# Altium PCB SINA33D3.0.PcbDoc (part 2 of 3) (continued)
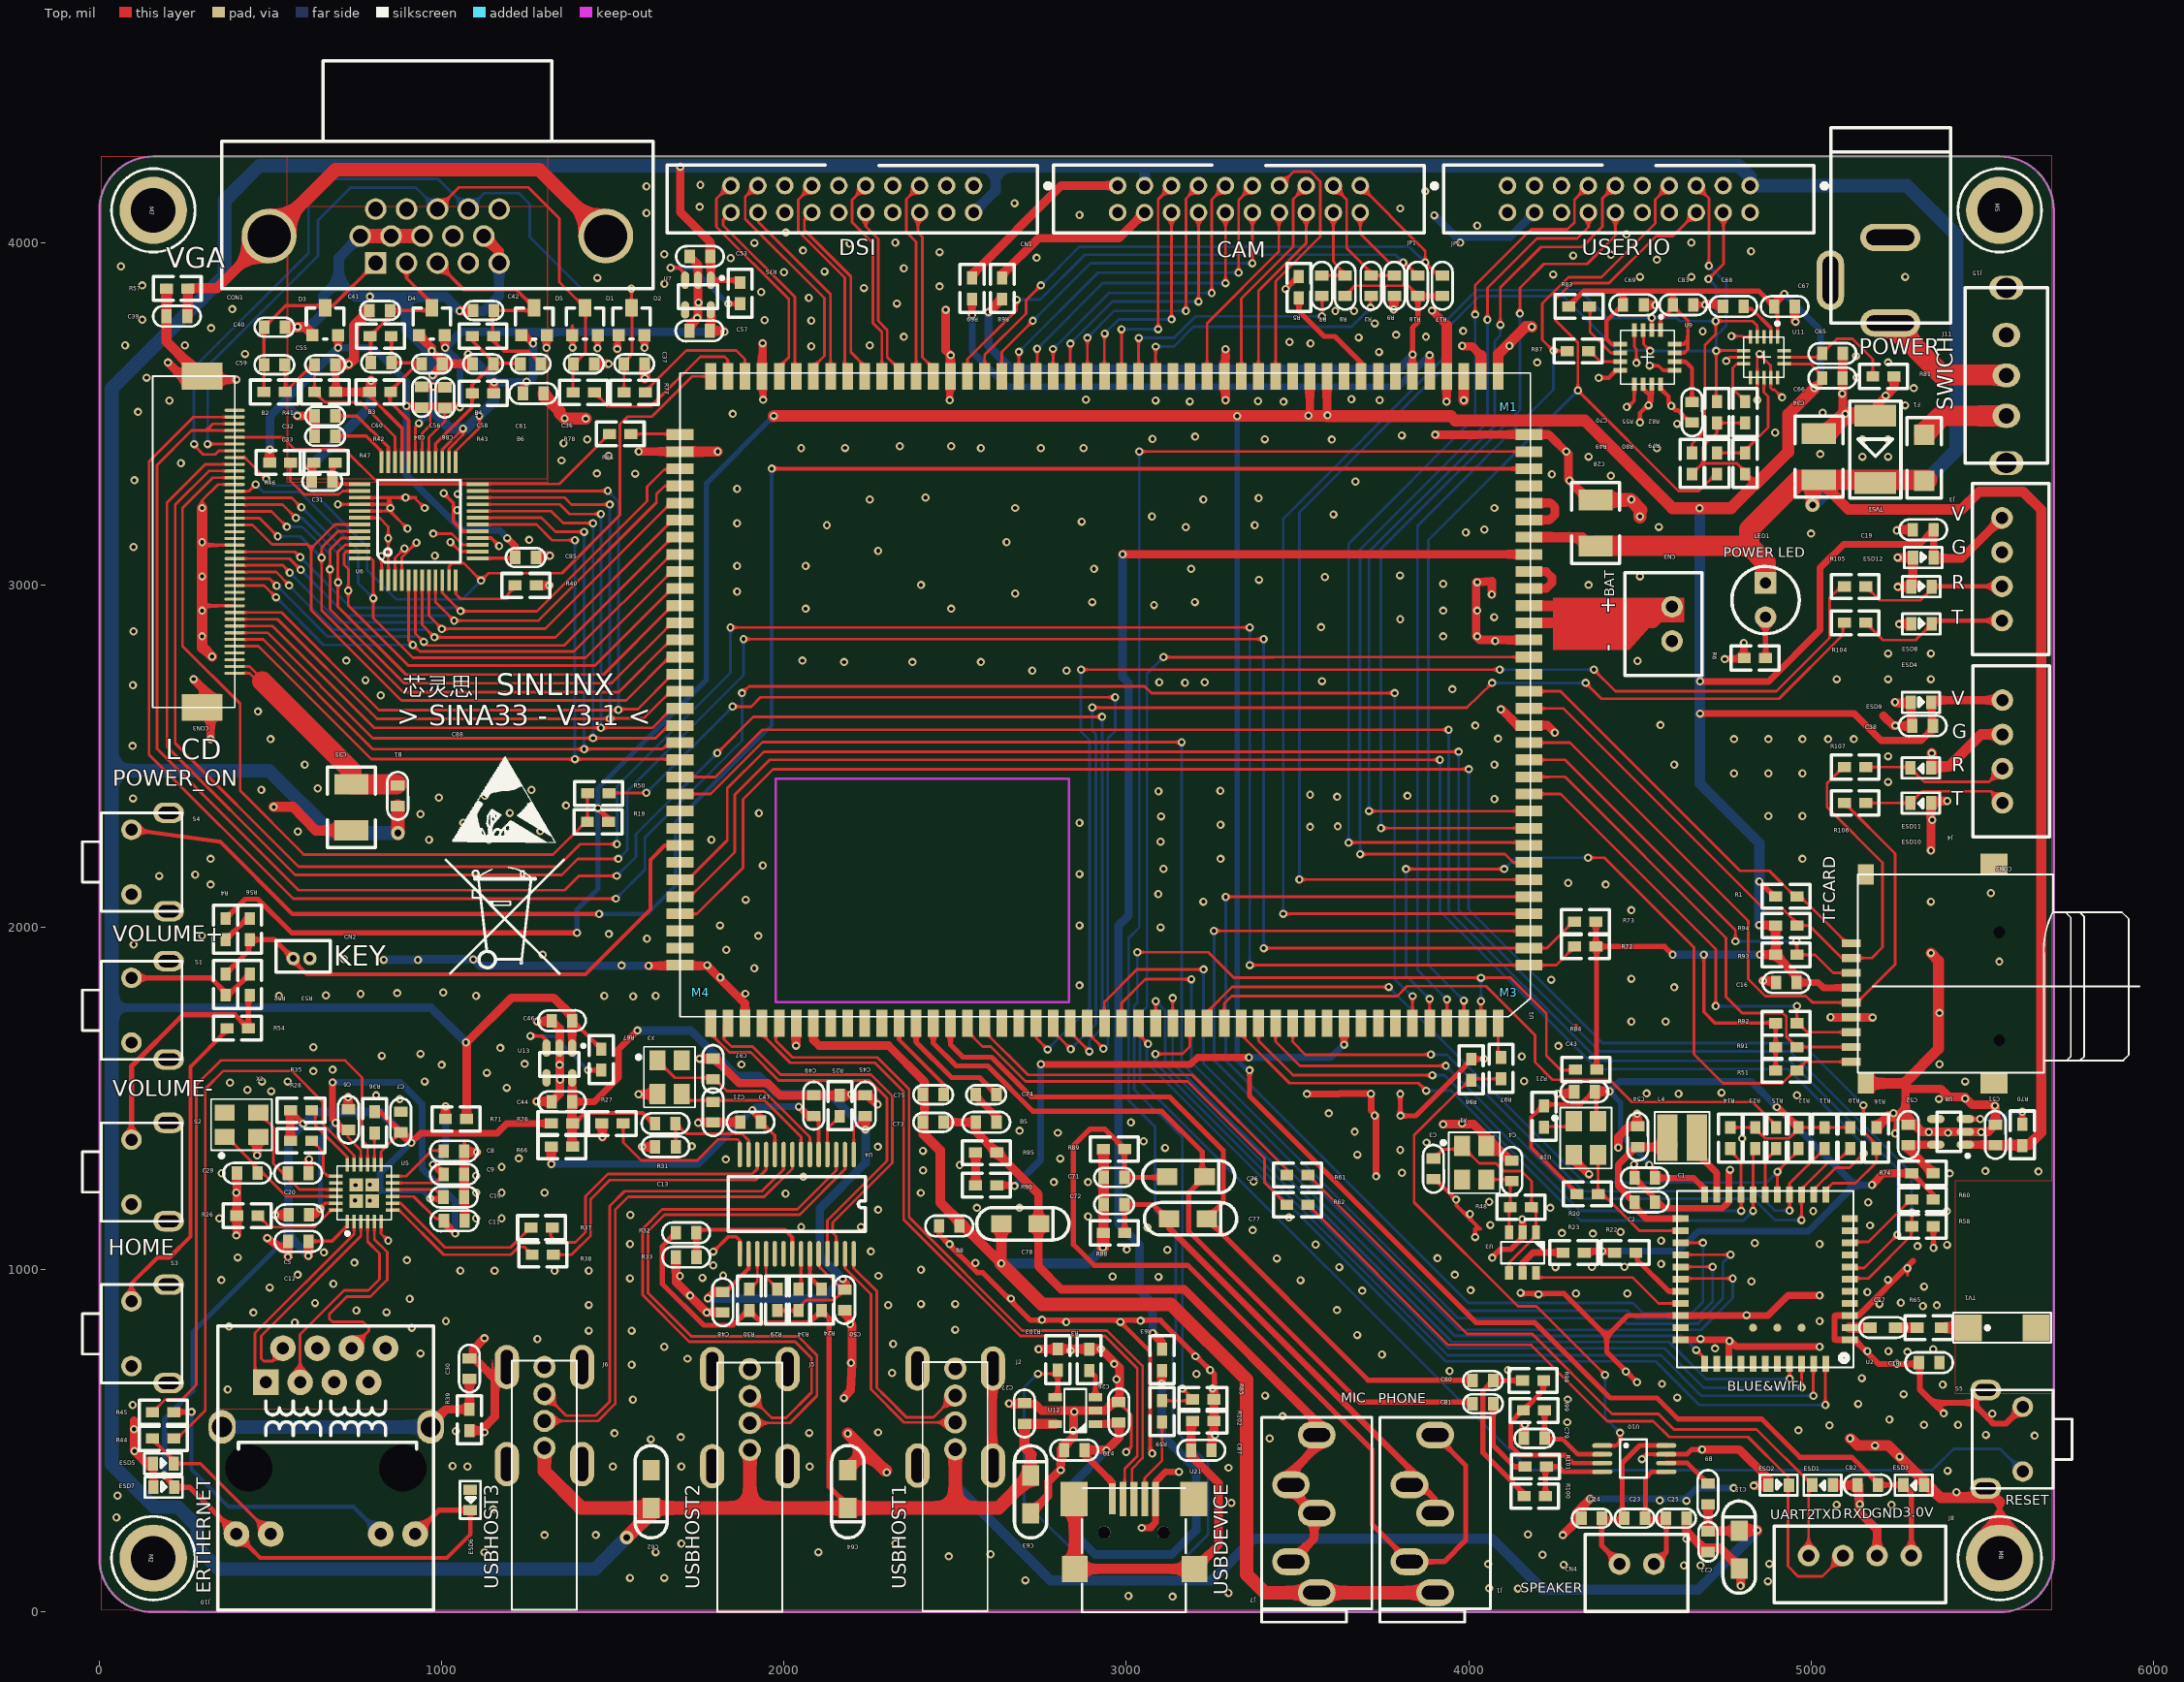
[diagram p0: Top view]
## Nets (pads, with @x,y where several pads share a name; then routed paths per layer and width w, separated by ;. In a path a pad name is that pad's centre, name@x,y a point inside that pad or via, vN(x,y) a via of type N, cw(c..) or ccw(c..) an arc to the next point about the centre after c; other vN are vias at no path point) (continued)
  Top w12: v1(2982.28,847.64) 3069.29,760.63 3069.29,470.87 v1(3075.2,463.39) ; U18.2@4306.7,1322.44 U18.2@4306.7,1335.44 ; v1@4351.19,1277.95 v1(4351.19,1279.53) ; v1(4379.93,3605.12) 4408.67,3605.12 4430.52,3626.97 U9.8@4443.31,3626.97 ; v1(4500,3475) 4500,3502.56 v1@4528.73,3531.29 ; U9.10@4509.26,3586.62 4509.26,3573.82 4528.73,3554.35 v1@4528.73,3531.29 ; U9.11@4534.85,3586.62 4534.85,3537.4 v1@4528.73,3531.29 ; U9.12@4560.44,3586.62 4560.44,3573.82 4583.86,3550.4 4583.86,3530.71 v1(4591.74,3522.84) 4604.34,3510.24 4611.41,3510.24 4647.32,3474.33 C70.1@4652.32,3474.33
  Top w15: C8.1@1066.61,1343.7 C8.1@1066.61,1345.64 ; v1(1381.89,3693.31) D1.1@1381.89,3728.96 ; v1(3464.96,3864.18) R5.2@3501.48,3900.69 ; v1(3800,1513.39) 3800,1450.4 v1(3800.79,1449.61) 3845.45,1449.61 3989.45,1593.62 3989.45,1597.62 R96.1@4007.09,1615.26 4007.58,1615.75 v1(4044.88,1615.75) ; v1@4150,933.07 4152.76,930.32 4278.35,930.32 4403.15,805.52 ; v1(4491.34,671.66) 4459.85,703.15 4403.15,759.85 4403.15,805.52 ; U10.7@4576.97,460.83 4577.17,461.02 4637.4,461.02 4651.18,474.81 v1(4681.89,474.81) ; U2.31@4619.3,866.14 4463.78,866.14 4403.15,805.52 ; C83.2@4657.88,3817.05 4659.34,3818.51 v1(4690.56,3818.51) ; v1(5357.48,1063.78) R58.2@5357.48,1129.14
  Top w15.75: B8.2@2452.69,1127.91 2452.69,1103.54 2482.64,1073.59 2547.41,1008.82 2564.14,992.09 2579.92,992.09 2719.87,852.15 2824.41,852.15 3099.61,852.15 3244.97,706.78 3257.48,694.27 v1@3257.48,663.39 ; v1(4068.9,1035.04) 4068.9,1036.22 4092.13,1059.45 4122.45,1059.45 U3.2@4157.09,1094.09
  Top w17.72: 5297.64,1025.59 5138.19,866.14 U2.3@5113,866.14 5070.08,866.14 5068.9,864.96 5068.9,795.28 5126.78,795.28 5162.41,759.65 5197.25,724.8 5318.11,724.8 5318.11,649.61 5356.3,611.42 ; v1(5387.4,580.31) 5356.3,611.42 ; S5.4@5510.24,648.82 5509.06,648.82 5471.65,611.42 ; S5.1@5618.51,599.61 5569.29,550.39 5532.68,550.39 5516.34,566.73 5471.65,611.42 ; 5356.3,611.42 5471.65,611.42
  Top w18: v1(4482.68,1307.88) 4482.68,1268.94 4572.09,1179.53 4740.95,1179.53 4759.85,1198.43 U2.20@4759.85,1217.33
  Top w19.68: ESD7.1@158.19,364.62 158.19,413.47 ; v1(1938.59,3540.95) U1.76@1938.59,3606.7 ; v1(2483.86,3540.16) U1.65@2483.86,3607.48 ; U3.2@4157.09,1109.06 v1@4157.09,1147.25 ; U2.20@4759.85,1219.29 v1@4759.85,1289.37
  Top w20: v1(3044.49,246.07) 3072.84,246.07 3072.84,249.61 3085.05,261.82 3085.05,370.71 3085.83,380.71 3114.96,409.84 v1(3153.94,409.45) ; v1(3527.17,1513.39) 3620.48,1513.39 3621.26,1514.18 v1(3714.57,1514.18) 3714.57,1464.96 3729.53,1450 v1(3729.53,1272.84) ; U2.33@4619.3,795.28 v1@4761.42,795.28 ; U2.31@4619.3,866.14 4874.02,866.14 4932.88,925 v1(5025,925) ; v1@4748.82,2784.25 4803.54,2784.25 v1(4803.54,2830.71) ; U2.36@4759.85,725.59 4759.85,793.7 v1@4761.42,795.28 ; v1(5025,775) 4781.7,775 v1@4761.42,795.28
  Top w23.62: 101.19,559.45 v1(101.19,534.26) 101.19,470.48 158.19,413.47 ; v1(3892.92,3801.58) 3935.83,3758.66 ; v1(3935.44,3535.83) U1.36@3935.44,3604.73 ; v1@3981.5,3696.85 4009.85,3696.85 4035.83,3670.87 ; U18.2@4306.7,1322.44 4350.4,1278.74 v1@4351.19,1277.95
  Top w25: v1(200,3650) 250,3600 307.09,3600 v1(400,3600) ; v1(275,2725) 324.02,2675.99 324.02,2642.52 325,2641.54 v1(325,2550) ; v1@401.89,1101.89 C29.1@401.89,1281.94 ; v1(460.63,1334.26) 460.63,1381.89 X2.2@463,1384.26 ; v1(490.16,1092.52) 534.65,1060.24 536.62,1062.21 536.62,1066.33 538.79,1068.51 550.79,1068.51 v1(550.79,1037.8) ; v1(513.39,1159.85) 552.28,1159.85 C5.1@552.28,1160.68 ; C20.1@610.72,1281.85 610.72,1321.35 v1(612.21,1322.84) ; v1(726.38,1504.33) 726.38,1469.82 C6.1@727.61,1468.59 ; C7.2@880.27,1461.49 882.71,1459.06 C7.2@888.19,1459.06 ; C11.2@1066.61,1142.96 1066.61,1343.7 v1(1102.76,1343.7) ; R39.2@1080.71,530.42 1114.57,530.42 1155.24,571.09 1155.24,680.71 1091.85,744.09 1091.85,766.85 v1(1125,800) ; v1@1153.4,997.25 v1(1154.53,997.25) ; C85.2@1275.2,3085.83 v1(1315.75,3085.83) ; R40.2@1276.28,2998.82 v1(1314.18,2998.82) ; v1(1277.17,1491.74) 1320.36,1491.74 C44.2@1321.19,1490.9 1344.49,1514.2 1344.49,1704.22 C46.2@1322.05,1726.66 ; v1(1278.74,1724.81) 1320.2,1724.81 C46.2@1322.05,1726.66 ; C46.2@1321.19,1727.52 C46.2@1322.05,1726.66 ; C36.1@1445.67,3646.07 v1@1487.41,3646.07 ; v1(1469.3,1387.4) R27.1@1469.3,1425.3 ; v1(1512.6,3689.77) v1@1512.6,3701.58 ; v1(1575.2,1512.6) 1629.14,1512.6 X3.2@1629.93,1513.39 ; v1(1575.59,3389.77) U1.81@1695.48,3389.77 ; v1(1585.04,1359.06) C13.2@1623.56,1359.06 ; v1(1604.34,1887.8) 1775.59,1887.8 1811.62,1851.77 1885.83,1777.56 U1.114@1885.83,1719.69 ; R33.2@1684.19,1036.96 1684.19,964.25 1773.3,875.13 C48.2@1820.92,875.13 ; C57.2@1723.16,3742.48 1723.16,3755.44 1748.04,3780.32 1748.04,3890.16 1748.04,3936.11 C53.2@1724.34,3959.8 ; v1@1750.74,1431.06 C47.2@1872.37,1431.06 ; v1(1753.55,1616.54) 1792.49,1616.54 C97.1@1792.57,1616.62 1797.57,1616.62 1868.91,1545.28 1952.37,1545.28 1988.52,1509.13 C45.2@2237.36,1509.13 ; U1.76@1935.83,3609.45 1935.83,3670.48 1937.41,3672.05 v1(1937.41,3706.3) ; v1(2035.04,1654.73) 2035.04,1718.9 U1.117@2035.83,1719.69 ; v1(2174.8,625.2) 2194.49,648.03 2198.43,725.59 2198.43,837.8 2196.72,841.34 2196,842.83 C50.2@2177.22,881.82 ; C45.2@2246.39,1509.13 v1(2272.84,1482.68) ; v1(2472.05,3803.94) 2472.05,3685.04 2485.83,3671.26 U1.65@2485.83,3609.45 ; J2.8@2606.3,427.96 2608.15,429.81 2610,431.66 J2.5@2610,711.42 ; v1(2657.09,609.45) 2662.2,609.45 2663.78,607.87 2732.67,607.87 2751.97,588.58 U12.2@2909.61,588.58 2937.8,588.58 2979.92,630.71 2979.92,713.78 2968.9,724.8 v1(2925.2,768.5) 2924.8,768.9 2800.1,768.9 R103.1@2799.61,768.4 ; C63.2@2720.24,288.58 2771.43,339.76 2771.43,380.71 2805.28,414.57 v1(2808.27,414.57) 2808.27,475.98 2845.67,513.39 2845.67,583.46 v1(2847.64,585.43) ; v1(2743.7,768.11) R103.1@2799.32,768.11 ; C87.1@3248.9,472.79 3250.39,472.79 3250.39,523.71 3255.91,529.22 3255.91,588.98 3255.91,593.3 ; v1@3255.91,653.55 3255.91,593.3 ; 3260.24,588.98 3255.91,593.3 ; v1(3289.37,3539.77) v1(3289.37,3688.59) ; v1(3781.11,3804.73) R9.1@3781.11,3844.89 ; v1(3901.97,3438.98) 4025.2,3438.98 4025.79,3439.57 U1.32@4175.99,3439.57 4233.86,3439.57 4291.34,3382.09 4291.34,3307.74 4350.48,3248.61 C28.2@4370.48,3248.61 ; v1(3925,1425) 4014.52,1425 4120.94,1318.58 C4.2@4125.94,1318.58 ; v1(4067.32,2972.44) 4067.32,3011.62 4024.79,3008.5 4021.66,3008.27 4021.66,2850 4032.09,2839.57 U1.20@4175.99,2839.57 ; v1@4094.49,2638.19 4094.69,2638 4143.11,2589.57 U1.15@4175.99,2589.57 4202.56,2589.57 4203.55,2590.55 4229.93,2590.55 v1(4251.58,2568.9) ; C79.2@4161.42,512.21 4161.42,544.89 v1(4164.18,547.64) ; v1(4259.06,1514.18) C43.2@4307.09,1514.18 ; v1(4275,225) 4314.96,264.96 4314.96,290.95 v1(4354.73,330.71) ; v1(4437.01,1357.09) 4437.01,1387.8 4467.79,1418.58 C54.2@4493.66,1418.58 4494.1,1418.58 4492.13,1420.55 v1(4492.13,1455.52) ; C69.2@4511.1,3818.16 4545.23,3818.16 v1(4546.07,3817.33) ; C25.1@4636.22,274.02 4636.22,235.83 4683.86,188.19 4733.47,188.19 4792.21,129.45 4794.89,126.77 v1@4794.89,83.07 ; v1(4681.89,474.81) 4790.55,474.81 4877.56,387.8 4877.56,369.68 4833.07,369.68 v1(4832.68,369.29) ; v1@4692.13,3820.87 C68.2@4742.85,3820.87 ; v1(4859.45,1844.49) C16.2@4898.03,1844.49 ; C67.2@4952.44,3813.44 4952.44,3771.19 v1(4954.73,3768.9) ; v1(5057.09,1737.4) 5179.13,1737.4 v1(5179.92,1736.61) ; ESD1.1@5063.47,371.21 5140.55,371.21 5140.55,292.91 5192.91,240.55 J8.3@5192.91,164.96 ; v1@5092.61,3500.79 C65.1@5092.61,3676.33 ; TVS1.1@5187.8,3494.49 5189.76,3492.53 5189.76,3491.4 5193.6,3487.56 5193.6,3526.38 5219.05,3551.82 5220.37,3553.15 5242.42,3575.2 R81.1@5242.42,3609.45 ; R16.1@5190.95,1415.65 5226.09,1450.79 5276.2,1450.79 ; 5211.42,2618.5 v1@5241.34,2588.58 ; v1@5241.34,2588.54 C38.2@5292.13,2588.54 ; v1(5245.28,2657.87) 5247.24,2655.91 5247.24,2655.12 5292.13,2655.12 C38.2@5292.13,2588.54 ; v1@5252.71,3161.76 C19.2@5297.57,3161.76 ; v1(5252.76,3080.31) ESD12.1@5297.17,3080.31 ; v1@5254.33,2995.28 5297.57,2995.28 ESD12.1@5297.57,3079.92 ; v1@5257.92,2886.27 ESD4.1@5292.44,2886.27 ; 5276.2,1549.27 5276.2,1528.35 ; C38.2@5295.99,2588.54 C38.2@5292.13,2588.54 ; v1(5350,2225) 5350,2368.9 v1(5397.64,2368.9) ; 5276.2,1450.79 5324.23,1402.76 5496.85,1402.76 5517.6,1402.76 C51.2@5538.54,1423.7 5538.54,1477.6 v1(5537.01,1479.13) 5534.25,1481.89 5471.65,1481.89 5451.77,1501.77 5449.21,1504.33 5403.15,1504.33 5379.13,1528.35 5276.2,1528.35 ; 5276.2,1450.79 5276.2,1528.35
  Top w30: R57.2@196.17,3866.14 196.17,3710.92 298.57,3608.53 CON3.42@307.09,3600 ; v1(300,3225) v1(300,3125) 300,3116.54 v1(300,3025) 300,2939.37 v1(300,2925) v1(300,2850) 300,2816.93 301.19,2815.75 304.34,2815.75 v1(328.74,2791.34) ; v1(509.45,2351.57) 565.36,2351.57 632.07,2283.29 C35.2@735.83,2283.29 ; v1(1593.7,3604.33) C37.1@1593.7,3645.28 ; U1.81@1695.48,3389.77 v1(1806.3,3389.77) ; C34.2@5022.84,3442.31 5025.02,3444.49 C34.2@5048.42,3444.49 ; v1(5352.36,2508.66) 5351.97,2508.27 5351.97,2469.68 5402.76,2469.68 5496.85,2563.78 J4.3@5559.06,2563.78
  Top w31.5: U1.36@3935.83,3609.45 3935.83,3758.66 ; v1(3985.83,3539.37) U1.35@3985.83,3609.45 ; U1.34@4035.83,3609.45 4035.83,3670.87 ; U1.33@4085.83,3609.45 4085.83,3674.41 4166.54,3755.12 4183.46,3755.12 v1(4184.65,3753.94) ; v1(5114.17,507.09) 5116.14,507.09 5136.61,486.61 v1(5187.01,486.61) 5225.98,486.61 5378.35,334.25 5378.35,333.86 5537.8,333.86 ; CON2.10@5160.24,1544.33 5271.26,1544.33 5276.2,1549.27 5372.2,1645.28 5372.2,1902.8 v1(5350,1925) ; S5.3@5510.24,361.42 5537.8,333.86 ; 5551.18,320.48 5537.8,333.86
  Top w35: B6.1@1297.33,3559.8 1297.33,3554.8 1344.1,3508.03 1344.1,3501.58 v1(1359.06,3486.62) 1359.85,3485.83 v1(1420.87,3485.83) ; C64.2@2186.06,414.18 2186.06,417.08 2185.43,417.71 2237.8,470.08 ; v1(2186.22,521.66) 2237.8,470.08 ; v1@2299.22,413.39 2294.49,413.39 2237.8,470.08
  Top w39.37: C28.2@4370.48,3248.61 4473.23,3248.61 4473.42,3248.42 4502.36,3219.47 4500,3217.11 v1(4500,3200)
  Top w50: C34.2@5048.42,3444.49 5098.43,3494.49 5109.06,3494.49 TVS1.1@5187.8,3494.49
  Bottom w8: 3961.02,4017.32 3961.02,4018.12
  Bottom w19.68: v1(4354.73,330.71) 4634.65,330.71 4666.15,362.21 v1(4774.02,362.21)
  Bottom w23.62: v1(3899.22,4079.92) 3961.02,4018.12 ; 3961.02,4017.32 4121.46,4017.32 JP2.18@4192.14,4088
  Bottom w25: v1(830.71,1905.12) 928.35,1905.12 930.32,1907.09 1092.13,1907.09 1111.42,1887.8 v1(1604.34,1887.8)
  other v1: 3134.65,45.28 3005.91,46.85 3298.43,55.91 4059.84,69.29 4143.7,68.9 4794.09,77.17 4874.02,90.16 2704.72,92.91 1550,100 1650,100 4628.35,136.61 4677.17,136.22 4277.17,138.19 4057.09,140.16 4878.35,140.94 2481.1,162.6 4215.35,167.32 2603.54,168.9 1125,175 1625,175 2100,175 1700,200 2325,200 4636.22,213.78 1300,225 1450,225 4173.23,226.77 49.61,276.38 1150,300 5074.41,313.78 5234.65,312.99 5142.52,315.35 3306.69,319.29 4636.22,325.2 4558.27,326.38 53.15,340.16 5425,350 5398.82,412.99 3298.43,421.65 1075,425 1500,425 1700,425 2075,425 1031.89,426.38 5258.66,453.94 102.76,470.47 1611.02,505.12 3418.11,507.09 1698.03,511.02 5653.15,515.35 3259.06,516.54 5510.63,517.72 1504.53,522.25 2073.23,523.23 1125,525 2275,525 1040.94,528.35 2844.49,530.31 4963,530.71 5053.54,545.28 5329.53,547.25 5429.53,547.25 4287.8,554.73 5228.74,562.2 3456.3,572.05 5529.13,579.53 97.24,605.12 5137.8,608.27 1558.66,620.47 4288.98,621.26 4609.45,626.77 3405.12,632.28 5270.47,636.61 375,650 3251.97,653.55 5384.65,664.17 4564.57,666.54 2970.87,679.92 5148.03,683.46 3204.33,695.28 2315.35,698.43 4459.06,702.36 3944.1,704.33 3244.88,706.69 4114.57,707.48 1554.53,722.25 2964.57,724.8 5250,725 2195.67,727.95 1717.72,740.16 3201.57,747.24 3746.46,752.36 938,755.71 5281.5,760.24 5164.57,761.81 5225.98,761.81 2836.61,764.17 5356.69,767.72 4719.69,770.08 1650,775 2318.9,783.07 4761.42,791.74 1279.53,797.25 4676.78,798.03 3674.02,809.45 1429.53,822.25 1554.53,822.25 2500,825 913,830.71 378.35,834.65 2192.91,841.34 570.48,845.67 2824.41,847.24 1012.21,849.61 3041.34,850.79 5025,850 2753.54,853.54 4811.42,867.33 450,875 1774.02,874.81 838.98,875.99 750.4,881.11 3615.35,881.89 5326.38,894.09 5367.32,896.06 1429.53,897.25 2304.33,896.85 2400,900 2500,900 5200,900 629.93,902.76 5262.2,903.94 906.3,915.36 2662.99,915.75 1725.59,924.41 4204.34,928.35 4313,930.71 4463,930.71 4151.19,932.68 5164.57,935.04 3688.59,938.59 4005.52,940.16 497.64,948.03 5330.32,950.79 683.47,958.66 4825.59,965.75 356.3,969.68 3508.66,969.29 5224.41,970.87 1550,975 1761.42,976.38 3093.7,979.13 2959.45,979.92 1696.07,981.89 2275.98,982.28 1822.05,983.07 579.14,985.44 3959.45,985.44 1054.53,997.25 1329.53,997.25 1429.53,997.25 2400,1000 3621.65,1007.48 4253.15,1007.48 4360.24,1007.88 4455.12,1008.66 1793.31,1012.6 4561.81,1016.93 2558.66,1020.08 744.89,1020.87 898.43,1027.96 3439.37,1033.07 3908.67,1033.47 403.94,1035.83 655.52,1050.4 2253.54,1053.15 3119.68,1058.27 3001.18,1059.06 5311.02,1068.9 3553.15,1073.62 5397.24,1072.83 2483.46,1074.41 1550,1075 5025,1075 4835.44,1077.56 4561.82,1085.04 4363,1105.71 4272.05,1107.09 4443.31,1110.63 3368.9,1115.75 3061.02,1123.23 2050,1125 2225,1125 5172.05,1129.53 4063,1130.71 350,1150 1100,1150 1175,1150 3474.41,1153.15 2888,1155.71 1550.79,1159.85 4003.55,1163 5006.3,1171.26 5396.06,1170.87 2275,1175 2563,1180.71 2688,1180.71 4238,1180.71 5166.93,1196.85 4059.85,1198.03 789.77,1201.58 746.46,1202.76 3963,1204.73 2004.34,1222.44 2399.61,1224.41 400,1225 1100,1225 1175,1225 1300,1225 748.04,1247.25 790.16,1248.43 2788,1255.71 2888,1255.71 3371.65,1257.09 2056.3,1271.26 1100,1275 5405.12,1281.1 356.7,1281.89 3804.73,1283.07 5664.57,1287.01 5509.06,1288.19 2405.91,1290.55 1175,1300 2513,1305.71 1829.53,1322.25 1225,1325 2807.09,1324.8 3674.8,1336.22 2405.51,1347.24 3800,1350 3113,1355.71 2274.02,1359.06 1730.32,1360.63 3876.78,1371.66 3050,1375 4798.43,1383.07 2800,1400 5400,1400 5343.7,1401.97 5496.85,1401.97 3666.93,1403.15 2688,1405.71 3980.32,1427.17 3013,1430.71 3725,1450 3590.94,1456.69 5240.95,1457.09 877.56,1498.82 5374.02,1498.82 5450,1500 808.27,1509.06 4958.66,1509.84 2196.85,1512.6 4612.99,1513.78 4519.29,1514.96 4738.58,1517.32 501.97,1521.66 432.28,1525.59 1190.16,1531.5 381.5,1546.46 475,1550 550,1550 950,1550 4161.42,1550.79 5450,1550 1345.67,1555.12 1131.5,1575.2 625.2,1579.92 681.11,1584.26 999.61,1598.43 1344.1,1598.43 1875.59,1599.61 5375,1600 1242.52,1601.18 4155.12,1622.83 825,1625 938,1630.71 1170.87,1648.03 625,1650 4261.82,1653.55 4475,1725 4575,1725 5375,1750 1559.06,1798.43 525,1800 1100,1800 1475,1800 1625,1800 661.82,1801.18 763,1805.71 1887.01,1806.3 869.68,1807.87 1004.72,1809.84 4600,1825 2863,1830.71 4240.95,1847.25 4475,1850 1813.78,1853.94 1913,1880.71 1525.2,1888.59 1775.59,1889.77 5550,1900 930.32,1904.73 1092.13,1906.3 714.18,1907.88 1294.49,1920.48 1831.11,1934.45 100,1950 1599.61,1967.33 300,1975 1925,1975 1488,1980.71 3100,2000 1813,2005.71 2863,2005.71 4475,2050 3225,2075 5350,2075 1888,2080.71 3093.31,2097.24 5525,2100 325,2125 4400,2125 4290.56,2129.92 175,2150 279.93,2153.94 2863,2155.71 3108.66,2170.87 1938,2180.71 325,2200 3275,2200 4975,2200 3100,2250 963,2255.71 1138,2255.71 1788,2255.71 579.53,2279.92 1288,2280.71 3536.62,2293.7 3617.33,2294.89 3275,2300 1063,2305.71 2863,2305.71 5353.94,2314.17 3101.57,2324.41 4875,2325 4975,2325 938,2330.71 1926.78,2333.47 1198.82,2334.26 1363,2355.71 4075,2375 98.04,2376.77 991.74,2378.74 3615.75,2381.5 1125.59,2384.26 3820.87,2384.26 3536.62,2387.4 3093.7,2397.64 3274.41,2398.82 472.83,2401.97 1262.21,2401.97 638,2405.71 5225,2425 4775,2450 4875,2450 4975,2450 600,2475 4075,2475 4600,2475 5225,2500 96.85,2529.92 500,2550 4775,2550 4875,2550 4975,2550 5050,2550 5125,2550 4085.83,2551.18 4019.29,2589.37 5246.06,2589.37 4560.24,2590.94 463,2630.71 4093.7,2637.01 821.66,2677.56 3951.97,2695.67 97.64,2707.48 3171.26,2714.57 3096.06,2715.75 3228.74,2715.75 3571.65,2719.29 777.17,2722.05 5075,2725 5225,2725 5350,2725 2725,2750 2825,2750 2175,2775 2375,2775 2575,2775 4493.31,2778.15 721.26,2779.14 2053.54,2779.13 5225,2800 5350,2800 4077.17,2836.61 3925,2850 4025,2850 99.61,2864.57 3568.5,2876.77 3800,2900 4074.41,2906.3 3925,2925 4025,2925 2063,2930.71 2488,2930.71 3080.71,2941.73 2900,2950 3200,2950 2675,2975 1863,2980.71 2400,3000 4350,3000 3925.2,3003.15 4024.81,3008.27 3387.4,3015.35 3579.53,3023.23 4500,3025 3799.21,3027.95 2905.51,3047.64 3189.37,3047.24 1863,3055.71 2063,3055.71 979.93,3085.44 2275,3100 99.61,3111.03 2650,3125 1255.52,3131.89 5000,3150 3991.34,3153.54 4045.67,3162.2 3173.62,3169.29 4555.52,3169.49 2125,3175 3375,3175 1863,3180.71 2869.68,3185.04 3075,3200 3604.72,3206.3 1044.89,3218.51 2675,3225 4075,3225 2250,3250 3225,3250 4475,3250 3386.22,3253.94 894.49,3255.12 2413,3255.71 1046.85,3265.75 1863,3280.71 3669.3,3302.37 4294.49,3305.12 101.97,3305.91 4415.35,3319.29 4242.91,3323.23 1453.55,3325.59 1564.96,3325.2 238,3355.71 1350,3363.78 4350,3375 5150,3375 5225,3375 1487.41,3377.17 5026.77,3382.28 4284.65,3389.76 2050,3400 2178.35,3400.4 2575,3400 2750,3400 2875,3400 4550,3400 2338,3405.71 2488,3405.71 1355.91,3413.78 1425.2,3425.2 3600,3425 5150,3425 5225,3425 3076.38,3426.77 3404.33,3425.98 3200.79,3433.46 3804.34,3437.01 4895.28,3445.28 4608.67,3471.26 1850,3500 5100,3500 5033.86,3503.54 113,3505.71 4525,3525 5275,3525 3459.06,3535.44 3185.44,3536.22 3384.65,3537.01 204.73,3538.59 3085.04,3538.98 3739.77,3539.77 2881.89,3541.34 3657.09,3542.92 5217.72,3553.15 5090.94,3559.06 5300,3575 138,3605.71 5132.28,3605.91 4200,3650 5225,3650 5131.11,3669.29 2486.62,3671.26 425,3675 3738,3680.71 2079.53,3697.25 4118.9,3698.43 75,3700 250,3700 2250,3700 3538,3705.71 3476.78,3710.24 3678.35,3723.23 2350,3725 3875,3725 3788,3730.71 4683.47,3740.95 3983.86,3742.13 326.38,3750.4 3725.59,3764.18 2079.53,3772.25 1943.31,3773.63 125,3775 1746.07,3780.32 3610.24,3800.79 3664.57,3800.79 388,3805.71 2329.53,3822.25 1750,3825 2072.45,3838.98 1933.08,3855.52 2233.08,3867.72 2454.53,3872.25 125,3875 1650.4,3879.92 1454.53,3897.25 4500,3900 4650,3900 5275,3900 4246.46,3907.09 1999.61,3913.78 2118.11,3915.75 2350,3925 63,3930.71 4550,3950 1843.7,3954.73 2738,3955.71 4305.12,3962.6 4415.75,3964.17 1650,3966.14 2454.53,3972.25 4825,3975 2055.52,3977.17 2191.34,3997.25 1913.39,3999.22 2325,4000 3975,4000 4650,4000 4461.02,4023.62 2004.73,4029.53 4025,4050 2863,4080.71 1598.04,4086.62 3800,4100 1753.55,4104.33 2673.23,4115.36 3872.45,4149.61 1598.04,4164.18 1755.52,4168.51
GS-INT: JP2.6 R80.2 U1.156 | length 3431.4
  Top w8: U1.156@3985.83,1719.69 v1(3985.83,1786.22) ; JP2.6@4664.58,4088 4596.26,4019.69 4547.25,4019.69 4409.45,3881.89 4300.79,3881.89 4252.76,3833.86 4252.76,3773.63 4318.9,3707.49 v1(4318.9,3568.5) 4612.99,3274.41 4671.66,3274.41 4721.37,3324.12 R80.2@4725.2,3324.12
  Bottom w8: v1(3985.83,1786.22) 3881.89,1890.16 3881.89,3131.5 v1(4318.9,3568.5)
HPL: C77.1 C80.2 U1.126 | length 2180
  Top w15: U1.126@2485.83,1719.69 2485.83,1657.48 2522.45,1620.87 2606.3,1620.87 2722.45,1504.73 3126.38,1504.73 3283,1348.11 3283,1197.25 C77.1@3234.81,1149.05 3705.12,678.74 3705.12,676.93 4010.87,676.93 C80.2@4011.42,676.38
HPR: C76.1 C81.2 U1.125 | length 2269.1
  Top w15: U1.125@2435.83,1719.69 2435.83,1662.21 2502.76,1595.28 2594.89,1595.28 2727.37,1462.8 3103.15,1462.8 3221.46,1344.49 3221.46,1287.6 3231.11,1277.96 3228.9,1275.75 C76.1@3228.9,1271.89 3181.82,1224.81 3181.82,1113 3681.43,613.39 4006.7,613.39 C81.2@4011.42,608.66
HUB-RST#: C13.1 R31.2 U4.13 | length 343.1
  Top w8: C13.1@1683.55,1359.41 1683.55,1426.81 R31.2@1683.15,1427.22 1684.21,1427.22 1714.03,1397.39 1876.78,1397.39 1896.21,1377.96 U4.13@1896.21,1336.34
HUB-X1: C97.2 U4.6 X3.1 | length 622.1
  Top w8: X3.1@1629.93,1611.81 1681.11,1560.63 1794.08,1560.63 1798.09,1556.63 C97.2@1798.6,1556.11 ; C97.2@1792.57,1556.63 1779.3,1556.11 C97.2@1798.6,1556.11 ; U4.6@2075.41,1336.34 2075.41,1387.4 1941.16,1521.66 1833.06,1521.66 C97.2@1798.6,1556.11
HUB-X2: C21.2 U4.7 X3.3 | length 463.7
  Top w8: X3.3@1691.41,1519.69 X3.3@1700.79,1513.39 1719.69,1494.49 1942.92,1494.49 2049.61,1387.8 2049.61,1336.54 U4.7@2049.81,1336.34
HUB_V33: C44.1 C45.1 C48.1 C50.1 R29.1 R31.1 R34.1 R66.2 R76.2 U4.1 U4.16 U4.24 U13.5 | length 3315.7
  Top w8: R76.2@1380.32,1427.17 R76.2@1382.19,1427.17 ; C44.1@1380.32,1489.91 C44.1@1381.19,1490.9 C44.1@1381.11,1490.99 ; C48.1@1820.92,935.13 1822.35,936.56 C48.1@1822.41,936.62 ; R34.1@2042.13,880.81 2042.13,888.62 2064.57,911.06 2146.46,911.06 C50.1@2173.32,937.93 ; U4.24@2101.01,1046.34 2101.01,1010.24 2172.05,941.65 2172.54,940.21 C50.1@2173.32,937.93 ; U4.1@2203.41,1336.34 2203.41,1415.18 C45.1@2237.36,1449.13 ; C50.1@2173.32,937.93 2179.36,931.89 2179.36,939.68 C50.1@2177.22,941.82 C50.1@2173.32,937.93
  Top w10: R29.1@1980.71,880.81 R34.1@2042.13,880.81
  Top w12: R76.2@1382.19,1427.17 1384.15,1429.14 1389.59,1429.14 1418.11,1457.66 1587.19,1457.66 1610.59,1434.26 1616.11,1434.26 R31.1@1623.15,1427.21 ; C48.1@1822.3,936.62 1822.35,936.56 1825.99,932.93 1896.21,1003.15 U4.16@1896.21,1046.34
  Top w20: C44.1@1381.19,1490.9 1445.67,1490.9 1516.54,1561.77 1516.54,1643.7 v1(1571.66,1698.82) ; v1(2170.87,973.62) 2183.46,961.02 C50.1@2183.46,941.82
  Top w25: C44.1@1380.32,1489.91 1380.32,1427.17 1380.32,1359.45 R66.2@1382.19,1359.45 ; C44.1@1381.11,1490.99 U13.5@1381.11,1560.63 ; v1(1777.56,916.14) 1798.04,936.62 1822.3,936.62 C48.1@1822.41,936.62 ; C50.1@2177.22,941.82 C50.1@2183.46,941.82 ; C45.1@2237.36,1449.13 C45.1@2237.36,1449.13 v1(2237.41,1409.85)
  Bottom w8: v1(2237.41,1409.85) v1@2238.34,1408.91
  Bottom w25: v1(1571.66,1698.82) 1727.96,1698.82 1860.44,1566.34 1925.59,1566.34 1977.76,1514.18 2133.08,1514.18 v1(2237.41,1409.85) ; v1(1777.56,916.14) 2113.39,916.14 v1(2170.87,973.62) 2105.91,1038.58 2104.73,1038.58 2104.73,1178.74 2238.34,1312.36 v1@2238.34,1408.91
IOB: B4.1 C58.1 C61.2 R43.2 U6.28 | length 550.4
  Top w8: C61.2@1229.53,3646.07 1235.44,3640.16 C61.2@1235.44,3638.98
  Top w10: U6.28@981.89,3358.47 981.89,3412.21 1088.59,3518.9 R43.2@1088.59,3558.56 ; B4.1@1089.48,3726.77 1089.48,3713.39 1155.22,3647.64 1227.96,3647.64 C61.2@1229.53,3646.07 ; R43.2@1089.87,3559.85 R43.2@1088.59,3558.56 ; C58.1@1151.19,3646.07 1088.59,3583.47 R43.2@1088.59,3558.56
IOG: B3.1 C56.1 C60.2 R42.2 U6.32 | length 514.6
  Top w10: B3.1@852.26,3726.77 853.15,3725.89 C60.2@853.15,3649.22 C56.1@932.66,3649.22 ; U6.32@903.15,3358.47 903.15,3481.11 848.82,3535.44 848.82,3559.55 R42.2@850.69,3563.78 850.69,3567.25 C56.1@932.66,3649.22 ; C56.1@940.95,3646.07 937.8,3649.22 C56.1@932.66,3649.22
IOR: B2.1 C55.1 C59.2 R41.2 U6.34 | length 643.2
  Top w8: C59.2@541.34,3643.31 542.42,3642.23 B2.1@542.42,3563.78 621.95,3643.31 C55.1@628.74,3643.31 628.45,3643.02 R41.2@628.45,3563.78 658.77,3533.47 763.78,3533.47 863.78,3433.47 U6.34@863.78,3358.47
LCD-BL-EN: R104.2 U1.132 | length 3484.6
  Top w8: U1.132@2785.83,1719.69 2785.83,1696.07 v1(2837.41,1644.49) ; v1(2900,2642.13) 3994.49,2642.13 v1(4068.5,2714.17) ; v1(4341.73,2714.17) 4387.99,2667.91 4906.3,2667.91 5092.91,2854.53 5092.91,2884.94 R104.2@5097.74,2889.76
  Bottom w8: v1(2837.41,1644.49) 2910.43,1717.52 2910.43,2564.76 2900,2575.19 v1(2900,2642.13) ; v1(4068.5,2714.17) v1(4341.73,2714.17)
LCD-CLK: CON3.36 R86.2 U6.24 | length 1212.4
  Top w8: CON3.36@395.28,3431.5 535.63,3431.5 570.48,3396.66 715.75,3396.66 817.72,3294.69 U6.24@1105.12,3294.69 1105.71,3295.28 1343.81,3295.28 1489.87,3441.34 R86.2@1490.26,3441.34
LCD-D2: CON3.5 U1.99 U6.18 | length 2380
  Top w8: CON3.5@395.28,2821.26 463.78,2821.26 793.7,2491.34 v1(1388.98,2491.34) 1693.9,2491.34 U1.99@1695.67,2489.57 ; U6.18@1105.12,3176.58 1276.78,3176.58 1322.64,3130.71 v1(1388.98,3130.71)
  Bottom w8: v1(1388.98,2491.34) v1(1388.98,3130.71)
LCD-D3: CON3.6 U1.98 U6.19 | length 2403.9
  Top w8: CON3.6@395.28,2840.95 478.35,2840.95 798.82,2520.48 v1(1415.75,2520.48) 1415.75,2521.07 1645.48,2521.07 1663.98,2539.57 U1.98@1695.67,2539.57 ; U6.19@1105.12,3196.26 1291.34,3196.26 1332.09,3155.52 v1(1415.75,3155.52)
  Bottom w8: v1(1415.75,2520.48) v1(1415.75,3155.52)
LCD-D4: CON3.7 U1.97 U6.20 | length 2422.3
  Top w8: CON3.7@395.28,2860.63 490.95,2860.63 798.82,2552.76 v1(1441.74,2552.76) 1624.41,2552.76 1661.22,2589.57 U1.97@1695.67,2589.57 ; U6.20@1105.12,3215.95 1319.3,3215.95 1354.53,3180.71 v1(1441.74,3180.71)
  Bottom w8: v1(1441.74,2552.76) v1(1441.74,3180.71)
LCD-D5: CON3.8 U1.96 U6.21 | length 2443.5
  Top w8: CON3.8@395.28,2880.32 505.52,2880.32 803.15,2582.68 v1(1464.96,2582.68) 1615.16,2582.68 1672.05,2639.57 U1.96@1695.67,2639.57 ; U6.21@1105.12,3235.63 1345.28,3235.63 1373.43,3207.48 v1(1464.96,3207.48)
  Bottom w8: v1(1464.96,2582.68) v1(1464.96,3207.48)
LCD-D6: CON3.9 U1.95 U6.22 | length 2474.4
  Top w8: CON3.9@395.28,2900 520.08,2900 810.63,2609.45 v1(1490.95,2609.45) 1490.95,2610.63 1590.16,2610.63 1669.1,2689.57 U1.95@1695.67,2689.57 ; U6.22@1105.12,3255.32 1359.06,3255.32 1379.34,3235.04 v1(1490.95,3235.04)
  Bottom w8: v1(1490.95,2609.45) v1(1490.95,3235.04)
LCD-D7: CON3.10 U1.94 U6.23 | length 2496
  Top w8: CON3.10@395.28,2919.69 531.89,2919.69 816.54,2635.04 v1(1516.15,2635.04) 1516.15,2637.8 1572.45,2637.8 1674.22,2739.57 U1.94@1695.67,2739.57 ; U6.23@1105.12,3275 v1(1485.04,3275)
  Bottom w8: v1(1485.04,3275) 1516.15,3243.9 v1(1516.15,2635.04)
LCD-D10: CON3.14 U1.87 U6.5 | length 1692
  Top w8: CON3.14@395.28,2998.43 481.5,2998.43 v1(515.75,2964.18) ; U6.5@903.15,3013.98 903.15,2838.98 915.75,2826.38 v1(915.75,2825.2) 935.44,2805.52 1386.22,2805.52 1670.28,3089.57 U1.87@1695.67,3089.57
  Bottom w8: v1(515.75,2964.18) 654.73,2825.2 v1(915.75,2825.2)
LCD-D11: CON3.15 U1.86 U6.6 | length 1702.4
  Top w8: CON3.15@395.28,3018.11 497.64,3018.11 v1(517.72,2998.03) ; U6.6@922.84,3013.98 922.84,2858.27 923.23,2858.27 v1(947.64,2833.86) 957.88,2823.63 1358.08,2823.63 1674.02,3139.57 U1.86@1695.67,3139.57
  Bottom w8: v1(517.72,2998.03) 666.15,2849.61 931.89,2849.61 v1(947.64,2833.86)
LCD-D12: CON3.16 U1.85 U6.7 | length 1703.4
  Top w8: CON3.16@395.28,3037.8 516.15,3037.8 553.94,3000 v1(553.94,2998.82) ; U6.7@942.52,3013.98 942.52,2883.47 978.35,2847.64 v1(978.35,2847.25) 1331.89,2847.25 1674.22,3189.57 U1.85@1695.67,3189.57
  Bottom w8: v1(553.94,2998.82) 683.08,2869.69 955.91,2869.69 v1(978.35,2847.25)
LCD-D13: CON3.17 U1.84 U6.8 | length 1688.1
  Top w8: CON3.17@395.28,3057.48 535.83,3057.48 555.91,3037.4 v1(555.91,3035.83) ; U6.8@962.21,3013.98 962.21,2910.24 v1(1000.4,2872.05) 1301.97,2872.05 1669.49,3239.57 U1.84@1695.67,3239.57
  Bottom w8: v1(555.91,3035.83) 701.19,2890.55 981.89,2890.55 v1(1000.4,2872.05)
LCD-D14: CON3.18 U1.83 U6.9 | length 1693.1
  Top w8: CON3.18@395.28,3077.17 555.52,3077.17 v1(588.19,3044.49) ; U6.9@981.89,3013.98 981.89,2950.4 v1(1036.22,2896.07) 1282.29,2896.07 1627.56,3241.34 1627.56,3265.75 1650.79,3288.98 1666.54,3288.98 1667.13,3289.57 U1.83@1695.67,3289.57
  Bottom w8: v1(588.19,3044.49) 722.05,2910.63 1021.66,2910.63 v1(1036.22,2896.07)
LCD-D15: CON3.19 U1.82 U6.10 | length 1681.9
  Top w8: CON3.19@395.28,3096.85 571.26,3096.85 v1(586.62,3081.5) ; U6.10@1001.58,3013.98 1001.58,2976.77 v1(1054.73,2923.63) 1278.74,2923.63 1599.61,3244.49 1599.61,3287.4 1649.22,3337.01 1670.08,3337.01 1672.64,3339.57 U1.82@1695.67,3339.57
  Bottom w8: v1(586.62,3081.5) 735.04,2933.07 1045.28,2933.07 v1(1054.73,2923.63)
LCD-D18: CON3.23 U1.93 U6.43 | length 1841.8
  Top w8: CON3.23@395.28,3175.59 447.25,3175.59 503.94,3118.9 606.7,3118.9 618.51,3107.09 ; U6.43@760.24,3176.58 688,3176.58 618.51,3107.09 ; U1.93@1695.67,2789.57 1664.96,2789.57 1538.39,2663 881.5,2663 618.51,2925.99 618.51,3107.09
LCD-D19: CON3.24 U1.92 U6.44 | length 1824.4
  Top w8: CON3.24@395.28,3195.28 467.72,3195.28 v1(520.87,3142.13) ; U6.44@760.24,3156.89 697.05,3156.89 648.82,3108.66 v1(648.82,3079.92) 648.82,2925.99 887.8,2687.01 1516.93,2687.01 1669.49,2839.57 U1.92@1695.67,2839.57
  Bottom w8: v1(520.87,3142.13) 586.62,3142.13 v1(648.82,3079.92)